# KiCad board EPSM-Famicom-rounded.kicad_pcb (continued)
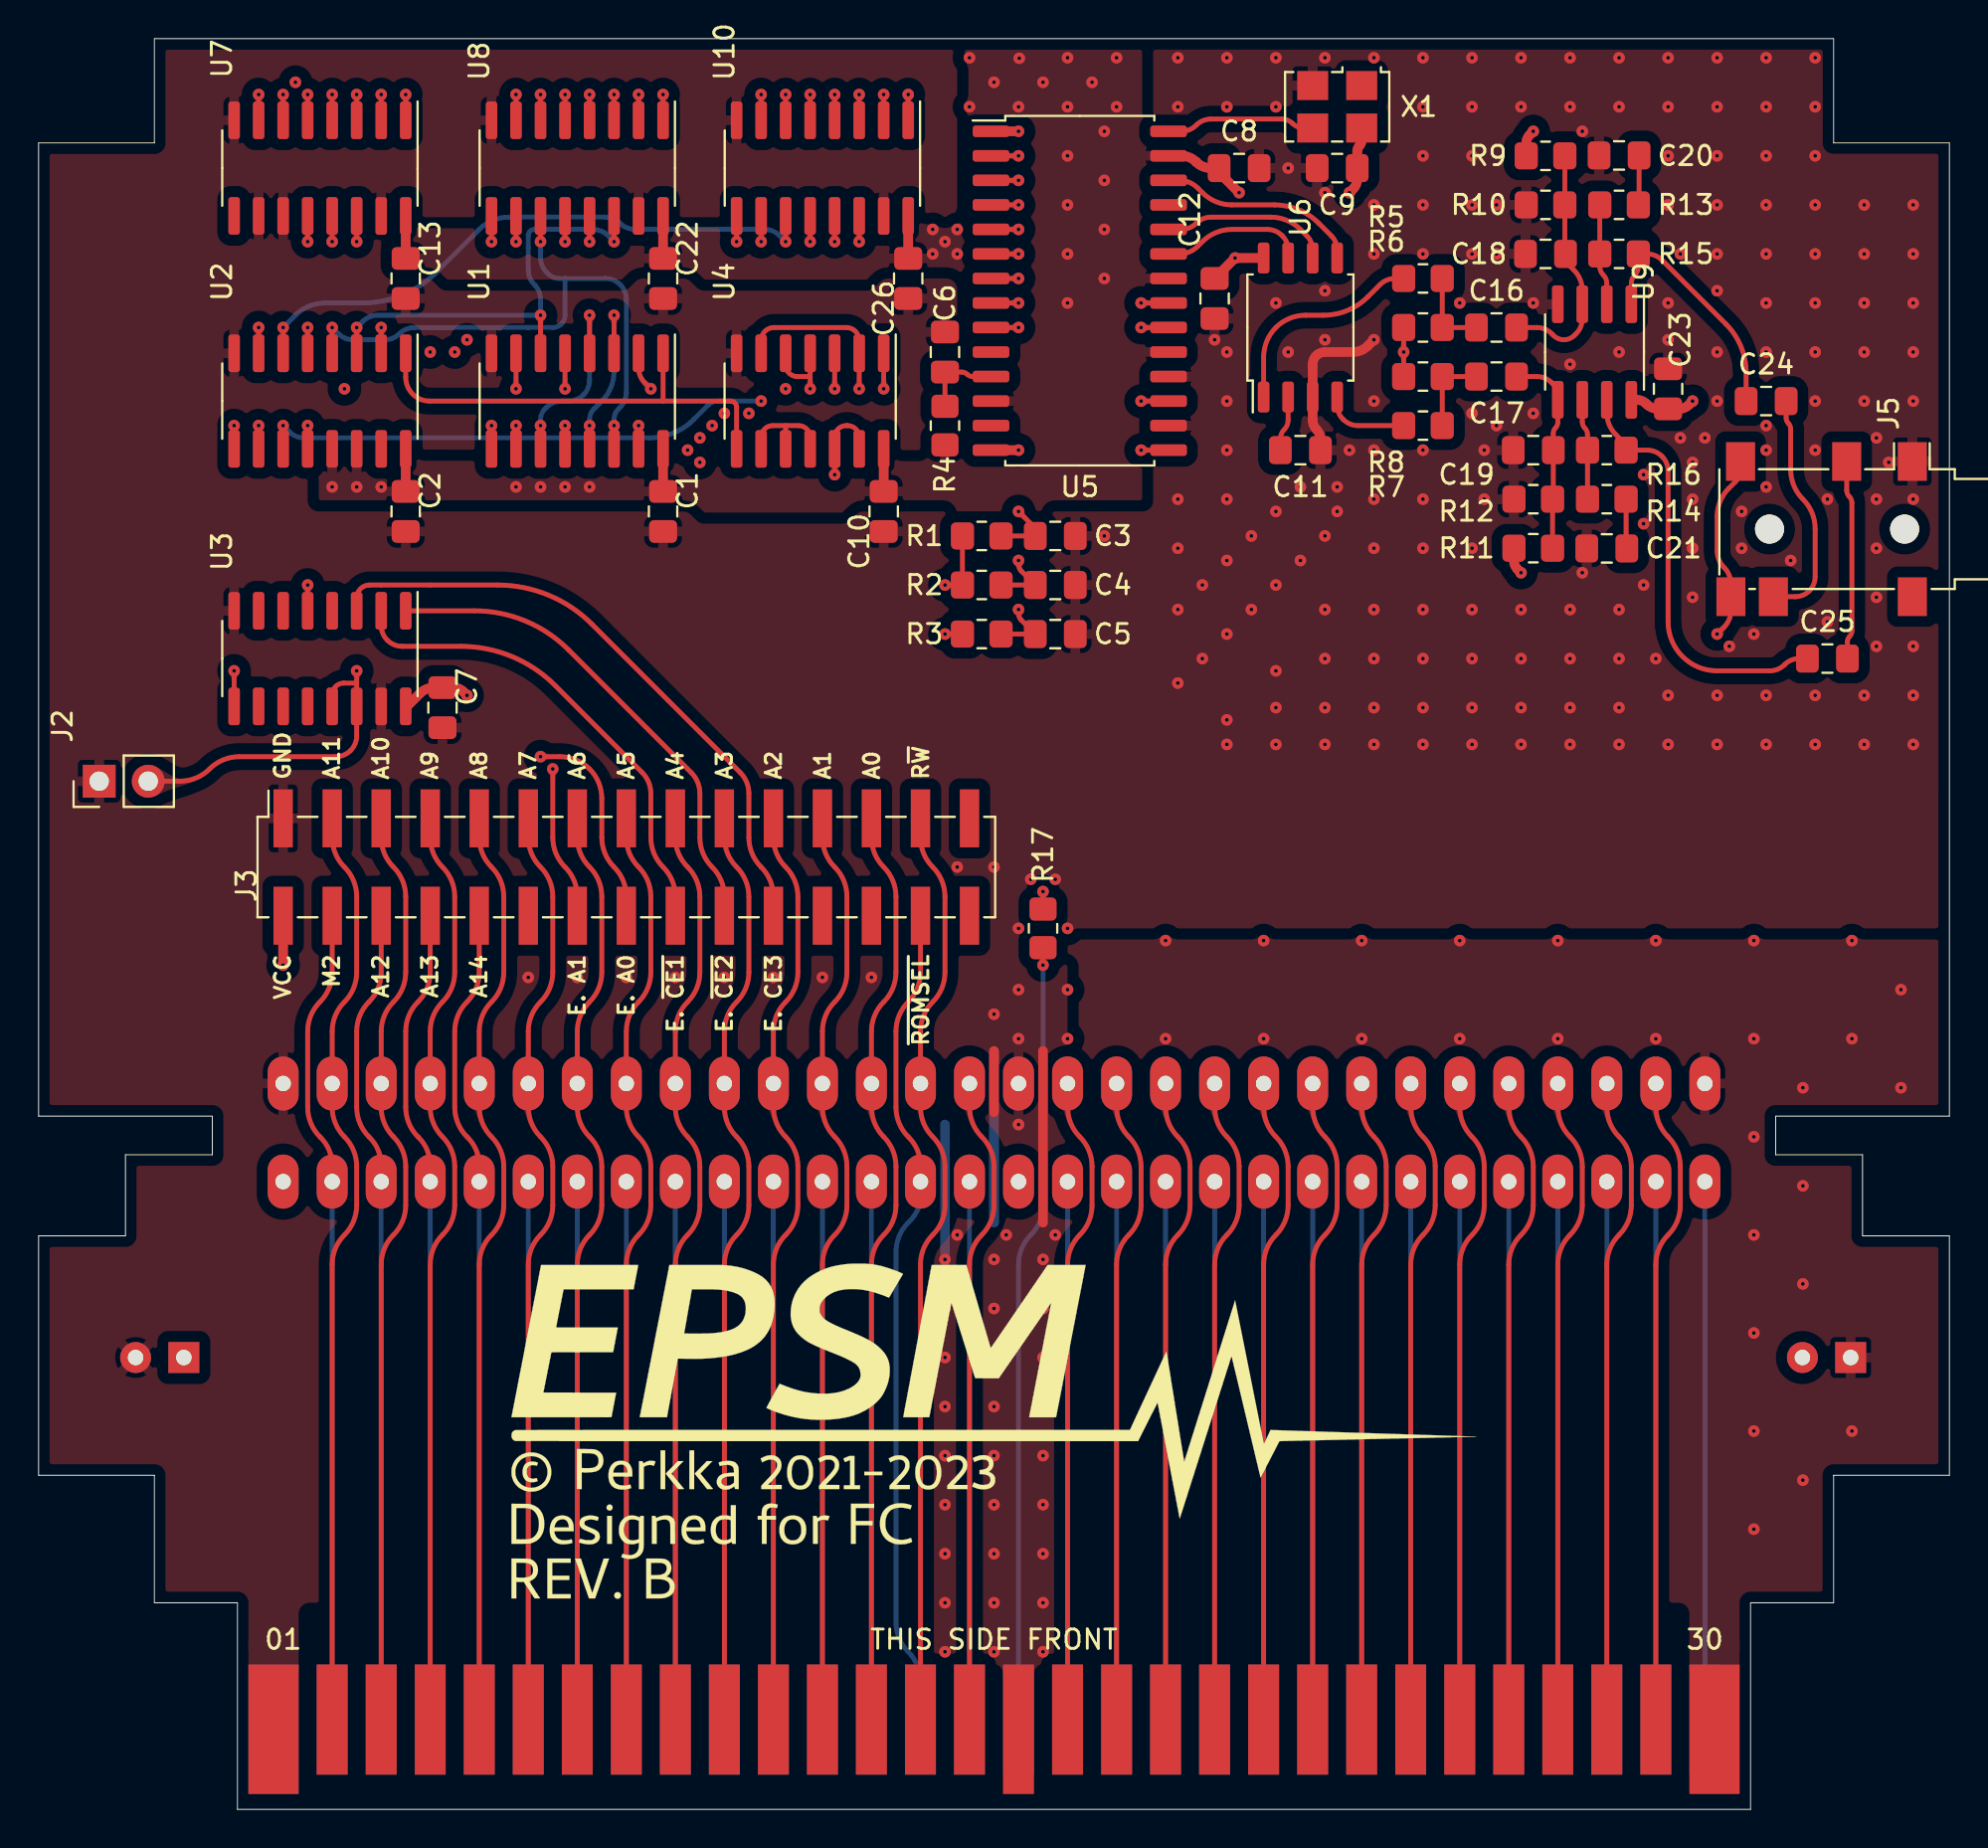
[diagram p0: board, top side]
## Copper pours and planes (outline as drawn; the poured copper is in the pictures) (continued)
/VCC on Top: 57.75,67.21 42.52,67.21 41.88,66.58 34.26,66.58 33.62,67.21 13.94,67.21 13.94,70.39 47.59,70.39 47.59,79.28 43.78,79.28 43.15,78.64 34.26,78.64 33.62,79.28 31.08,79.28 30.45,78.64 20.92,78.64 20.29,79.28 17.75,79.28 17.75,82.45 47.59,82.45 47.59,91.98 57.75,91.98
/VCC on Bottom: 13.47,6.55 10.87,6.55 10.87,8.79 13.47,8.79
/VCC on Bottom: 99.03,10.7 83.79,10.7 83.79,38 15.21,38 15.21,10.7 13.47,10.7 13.47,8.16 10.87,8.16 10.87,10.7 -0.03,10.7 -0.03,91.98 99.03,91.98
/AUD_2A03 on Bottom: 48.36,30.92 48.36,31.11 48.39,31.26 48.43,31.39 48.49,31.5 48.55,31.59 48.63,31.69 48.7,31.78 48.79,31.89 48.87,32.01 48.95,32.16 48.23,32.91 47.51,32.16 47.59,32.01 47.67,31.89 47.76,31.78 47.83,31.69 47.91,31.59 47.97,31.5 48.03,31.39 48.07,31.26 48.1,31.11 48.11,30.92
/AUD_RF on In1.Cu: 50.5,34.08 50.55,33.92 50.57,33.77 50.56,33.65 50.52,33.54 50.46,33.44 50.39,33.34 50.3,33.24 50.22,33.13 50.13,33 50.05,32.86 50.77,32.11 51.49,32.86 51.41,33.02 51.33,33.16 51.25,33.28 51.18,33.38 51.11,33.48 51.04,33.58 50.97,33.7 50.89,33.83 50.81,33.99 50.73,34.18
/CIRAM_A10 on Top: 56.11,35.63 56.04,35.84 56.01,36.03 56.02,36.19 56.05,36.34 56.11,36.48 56.18,36.61 56.27,36.75 56.37,36.89 56.47,37.06 56.57,37.24 55.85,37.99 55.13,37.24 55.31,36.86 55.39,36.71 55.45,36.57 55.51,36.44 55.57,36.3 55.64,36.15 55.71,35.98 55.79,35.77 55.88,35.54
/CIRAM_~{CE} on Bottom: 55.97,30.92 55.98,31.11 56.01,31.26 56.05,31.39 56.11,31.5 56.17,31.59 56.25,31.69 56.32,31.78 56.41,31.89 56.49,32.01 56.57,32.16 55.85,32.91 55.13,32.16 55.21,32.01 55.29,31.89 55.38,31.78 55.45,31.69 55.53,31.59 55.59,31.5 55.65,31.39 55.69,31.26 55.72,31.11 55.72,30.92
/CPU_A0 on Top: 43.03,39.18 43.02,38.99 42.99,38.84 42.95,38.71 42.89,38.6 42.83,38.51 42.75,38.41 42.68,38.32 42.59,38.21 42.51,38.09 42.43,37.94 43.15,37.19 43.87,37.94 43.79,38.09 43.71,38.21 43.62,38.32 43.55,38.41 43.47,38.51 43.41,38.6 43.35,38.71 43.31,38.84 43.28,38.99 43.28,39.18
/CPU_A0 on Top: 43.41,35.63 43.34,35.84 43.31,36.03 43.32,36.19 43.35,36.34 43.41,36.48 43.48,36.61 43.57,36.75 43.67,36.89 43.77,37.06 43.87,37.24 43.15,37.99 42.43,37.24 42.61,36.86 42.69,36.71 42.75,36.57 42.81,36.44 42.87,36.3 42.94,36.15 43.01,35.98 43.09,35.77 43.18,35.54
/CPU_A1 on Top: 40.87,35.63 40.8,35.84 40.77,36.03 40.78,36.19 40.81,36.34 40.87,36.48 40.94,36.61 41.03,36.75 41.13,36.89 41.23,37.06 41.33,37.24 40.61,37.99 39.89,37.24 40.07,36.86 40.15,36.71 40.21,36.57 40.27,36.44 40.33,36.3 40.4,36.15 40.47,35.98 40.55,35.77 40.64,35.54
/CPU_A1 on Top: 40.48,39.18 40.48,38.99 40.45,38.84 40.41,38.71 40.35,38.6 40.29,38.51 40.21,38.41 40.14,38.32 40.05,38.21 39.97,38.09 39.89,37.94 40.61,37.19 41.33,37.94 41.25,38.09 41.17,38.21 41.08,38.32 41.01,38.41 40.93,38.51 40.87,38.6 40.81,38.71 40.77,38.84 40.74,38.99 40.73,39.18
/CPU_A2 on Top: 37.94,39.18 37.94,38.99 37.91,38.84 37.87,38.71 37.81,38.6 37.75,38.51 37.67,38.41 37.6,38.32 37.51,38.21 37.43,38.09 37.35,37.94 38.07,37.19 38.79,37.94 38.71,38.09 38.63,38.21 38.54,38.32 38.47,38.41 38.39,38.51 38.33,38.6 38.27,38.71 38.23,38.84 38.2,38.99 38.19,39.18
/CPU_A2 on Top: 38.33,35.63 38.26,35.84 38.23,36.03 38.24,36.19 38.27,36.34 38.33,36.48 38.4,36.61 38.49,36.75 38.59,36.89 38.69,37.06 38.79,37.24 38.07,37.99 37.35,37.24 37.53,36.86 37.61,36.71 37.67,36.57 37.73,36.44 37.79,36.3 37.86,36.15 37.93,35.98 38.01,35.77 38.1,35.54
/CPU_A7 on Top: 25.25,39.18 25.24,38.99 25.21,38.84 25.17,38.71 25.11,38.6 25.05,38.51 24.97,38.41 24.9,38.32 24.81,38.21 24.73,38.09 24.65,37.94 25.37,37.19 26.09,37.94 26.01,38.09 25.93,38.21 25.84,38.32 25.77,38.41 25.69,38.51 25.63,38.6 25.57,38.71 25.53,38.84 25.5,38.99 25.5,39.18
/CPU_A7 on Top: 25.63,35.63 25.56,35.84 25.53,36.03 25.54,36.19 25.57,36.34 25.63,36.48 25.7,36.61 25.79,36.75 25.89,36.89 25.99,37.06 26.09,37.24 25.37,37.99 24.65,37.24 24.83,36.86 24.91,36.71 24.97,36.57 25.03,36.44 25.09,36.3 25.16,36.15 25.23,35.98 25.31,35.77 25.4,35.54
/CPU_A8 on Top: 23.09,35.63 23.02,35.84 22.99,36.03 23,36.19 23.03,36.34 23.09,36.48 23.16,36.61 23.25,36.75 23.35,36.89 23.45,37.06 23.55,37.24 22.83,37.99 22.11,37.24 22.29,36.86 22.37,36.71 22.43,36.57 22.49,36.44 22.55,36.3 22.62,36.15 22.69,35.98 22.77,35.77 22.86,35.54
/CPU_A8 on Top: 22.7,39.18 22.7,38.99 22.67,38.84 22.63,38.71 22.57,38.6 22.51,38.51 22.43,38.41 22.36,38.32 22.27,38.21 22.19,38.09 22.11,37.94 22.83,37.19 23.55,37.94 23.47,38.09 23.39,38.21 23.3,38.32 23.23,38.41 23.15,38.51 23.09,38.6 23.03,38.71 22.99,38.84 22.96,38.99 22.95,39.18
/CPU_A12 on Top: 17.48,34.08 17.53,33.92 17.55,33.77 17.54,33.65 17.5,33.54 17.44,33.44 17.37,33.34 17.28,33.24 17.2,33.13 17.11,33 17.03,32.86 17.75,32.11 18.47,32.86 18.39,33.02 18.31,33.16 18.23,33.28 18.16,33.38 18.09,33.48 18.02,33.58 17.95,33.7 17.87,33.83 17.79,33.99 17.71,34.18
/CPU_A12 on Bottom: 17.88,30.92 17.88,31.11 17.91,31.26 17.95,31.39 18.01,31.5 18.07,31.59 18.15,31.69 18.22,31.78 18.31,31.89 18.39,32.01 18.47,32.16 17.75,32.91 17.03,32.16 17.11,32.01 17.19,31.89 17.28,31.78 17.35,31.69 17.43,31.59 17.49,31.5 17.55,31.39 17.59,31.26 17.62,31.11 17.62,30.92
/CPU_A13 on Top: 20.02,34.08 20.07,33.92 20.09,33.77 20.08,33.65 20.04,33.54 19.98,33.44 19.91,33.34 19.82,33.24 19.74,33.13 19.65,33 19.57,32.86 20.29,32.11 21.01,32.86 20.93,33.02 20.85,33.16 20.77,33.28 20.7,33.38 20.63,33.48 20.56,33.58 20.49,33.7 20.41,33.83 20.33,33.99 20.25,34.18
/CPU_A13 on Bottom: 20.42,30.92 20.42,31.11 20.45,31.26 20.49,31.39 20.55,31.5 20.61,31.59 20.69,31.69 20.76,31.78 20.85,31.89 20.93,32.01 21.01,32.16 20.29,32.91 19.57,32.16 19.65,32.01 19.73,31.89 19.82,31.78 19.89,31.69 19.97,31.59 20.03,31.5 20.09,31.39 20.13,31.26 20.16,31.11 20.17,30.92
/CPU_A14 on Top: 22.56,34.08 22.61,33.92 22.63,33.77 22.62,33.65 22.58,33.54 22.52,33.44 22.45,33.34 22.36,33.24 22.28,33.13 22.19,33 22.11,32.86 22.83,32.11 23.55,32.86 23.47,33.02 23.39,33.16 23.31,33.28 23.24,33.38 23.17,33.48 23.1,33.58 23.03,33.7 22.95,33.83 22.87,33.99 22.79,34.18
/CPU_A14 on Bottom: 22.95,30.92 22.96,31.11 22.99,31.26 23.03,31.39 23.09,31.5 23.15,31.59 23.23,31.69 23.3,31.78 23.39,31.89 23.47,32.01 23.55,32.16 22.83,32.91 22.11,32.16 22.19,32.01 22.27,31.89 22.36,31.78 22.43,31.69 22.51,31.59 22.57,31.5 22.63,31.39 22.67,31.26 22.7,31.11 22.7,30.92
/CPU_D0 on Bottom: 43.28,30.92 43.28,31.11 43.31,31.26 43.35,31.39 43.41,31.5 43.47,31.59 43.55,31.69 43.62,31.78 43.71,31.89 43.79,32.01 43.87,32.16 43.15,32.91 42.43,32.16 42.51,32.01 42.59,31.89 42.68,31.78 42.75,31.69 42.83,31.59 42.89,31.5 42.95,31.39 42.99,31.26 43.02,31.11 43.03,30.92
/CPU_D0 on In2.Cu: 42.88,34.08 42.93,33.92 42.95,33.77 42.94,33.65 42.9,33.54 42.84,33.44 42.77,33.34 42.68,33.24 42.6,33.13 42.51,33 42.43,32.86 43.15,32.11 43.87,32.86 43.79,33.02 43.71,33.16 43.63,33.28 43.56,33.38 43.49,33.48 43.42,33.58 43.35,33.7 43.27,33.83 43.19,33.99 43.11,34.18
/CPU_D1 on Bottom: 40.73,30.92 40.74,31.11 40.77,31.26 40.81,31.39 40.87,31.5 40.93,31.59 41.01,31.69 41.08,31.78 41.17,31.89 41.25,32.01 41.33,32.16 40.61,32.91 39.89,32.16 39.97,32.01 40.05,31.89 40.14,31.78 40.21,31.69 40.29,31.59 40.35,31.5 40.41,31.39 40.45,31.26 40.48,31.11 40.48,30.92
/CPU_D1 on In2.Cu: 40.34,34.08 40.39,33.92 40.41,33.77 40.4,33.65 40.36,33.54 40.3,33.44 40.23,33.34 40.14,33.24 40.06,33.13 39.97,33 39.89,32.86 40.61,32.11 41.33,32.86 41.25,33.02 41.17,33.16 41.09,33.28 41.02,33.38 40.95,33.48 40.88,33.58 40.81,33.7 40.73,33.83 40.65,33.99 40.57,34.18
/CPU_D2 on Bottom: 38.19,30.92 38.2,31.11 38.23,31.26 38.27,31.39 38.33,31.5 38.39,31.59 38.47,31.69 38.54,31.78 38.63,31.89 38.71,32.01 38.79,32.16 38.07,32.91 37.35,32.16 37.43,32.01 37.51,31.89 37.6,31.78 37.67,31.69 37.75,31.59 37.81,31.5 37.87,31.39 37.91,31.26 37.94,31.11 37.94,30.92
/CPU_D2 on In2.Cu: 37.8,34.08 37.85,33.92 37.87,33.77 37.86,33.65 37.82,33.54 37.76,33.44 37.69,33.34 37.6,33.24 37.52,33.13 37.43,33 37.35,32.86 38.07,32.11 38.79,32.86 38.71,33.02 38.63,33.16 38.55,33.28 38.48,33.38 38.41,33.48 38.34,33.58 38.27,33.7 38.19,33.83 38.11,33.99 38.03,34.18
/CPU_D3 on Bottom: 35.66,30.92 35.66,31.11 35.69,31.26 35.73,31.39 35.79,31.5 35.85,31.59 35.93,31.69 36,31.78 36.09,31.89 36.17,32.01 36.25,32.16 35.53,32.91 34.81,32.16 34.89,32.01 34.97,31.89 35.06,31.78 35.13,31.69 35.21,31.59 35.27,31.5 35.33,31.39 35.37,31.26 35.4,31.11 35.41,30.92
/CPU_D3 on In2.Cu: 35.26,34.08 35.31,33.92 35.33,33.77 35.32,33.65 35.28,33.54 35.22,33.44 35.15,33.34 35.06,33.24 34.98,33.13 34.89,33 34.81,32.86 35.53,32.11 36.25,32.86 36.17,33.02 36.09,33.16 36.01,33.28 35.94,33.38 35.87,33.48 35.8,33.58 35.73,33.7 35.65,33.83 35.57,33.99 35.49,34.18
/CPU_D4 on Bottom: 33.11,30.92 33.12,31.11 33.15,31.26 33.19,31.39 33.25,31.5 33.31,31.59 33.39,31.69 33.46,31.78 33.55,31.89 33.63,32.01 33.71,32.16 32.99,32.91 32.27,32.16 32.35,32.01 32.43,31.89 32.52,31.78 32.59,31.69 32.67,31.59 32.73,31.5 32.79,31.39 32.83,31.26 32.86,31.11 32.86,30.92
/CPU_D4 on In2.Cu: 32.72,34.08 32.77,33.92 32.79,33.77 32.78,33.65 32.74,33.54 32.68,33.44 32.61,33.34 32.52,33.24 32.44,33.13 32.35,33 32.27,32.86 32.99,32.11 33.71,32.86 33.63,33.02 33.55,33.16 33.47,33.28 33.4,33.38 33.33,33.48 33.26,33.58 33.19,33.7 33.11,33.83 33.03,33.99 32.95,34.18
/CPU_D5 on Bottom: 30.58,30.92 30.58,31.11 30.61,31.26 30.65,31.39 30.71,31.5 30.77,31.59 30.85,31.69 30.92,31.78 31.01,31.89 31.09,32.01 31.17,32.16 30.45,32.91 29.73,32.16 29.81,32.01 29.89,31.89 29.98,31.78 30.05,31.69 30.13,31.59 30.19,31.5 30.25,31.39 30.29,31.26 30.32,31.11 30.33,30.92
/CPU_D5 on In2.Cu: 30.18,34.08 30.23,33.92 30.25,33.77 30.24,33.65 30.2,33.54 30.14,33.44 30.07,33.34 29.98,33.24 29.9,33.13 29.81,33 29.73,32.86 30.45,32.11 31.17,32.86 31.09,33.02 31.01,33.16 30.93,33.28 30.86,33.38 30.79,33.48 30.72,33.58 30.65,33.7 30.57,33.83 30.49,33.99 30.41,34.18
/CPU_D6 on Bottom: 28.03,30.92 28.04,31.11 28.07,31.26 28.11,31.39 28.17,31.5 28.23,31.59 28.31,31.69 28.38,31.78 28.47,31.89 28.55,32.01 28.63,32.16 27.91,32.91 27.19,32.16 27.27,32.01 27.35,31.89 27.44,31.78 27.51,31.69 27.59,31.59 27.65,31.5 27.71,31.39 27.75,31.26 27.78,31.11 27.78,30.92
/CPU_D6 on In2.Cu: 27.64,34.08 27.69,33.92 27.71,33.77 27.7,33.65 27.66,33.54 27.6,33.44 27.53,33.34 27.44,33.24 27.36,33.13 27.27,33 27.19,32.86 27.91,32.11 28.63,32.86 28.55,33.02 28.47,33.16 28.39,33.28 28.32,33.38 28.25,33.48 28.18,33.58 28.11,33.7 28.03,33.83 27.95,33.99 27.87,34.18
/CPU_D7 on Bottom: 25.5,30.92 25.5,31.11 25.53,31.26 25.57,31.39 25.63,31.5 25.69,31.59 25.77,31.69 25.84,31.78 25.93,31.89 26.01,32.01 26.09,32.16 25.37,32.91 24.65,32.16 24.73,32.01 24.81,31.89 24.9,31.78 24.97,31.69 25.05,31.59 25.11,31.5 25.17,31.39 25.21,31.26 25.24,31.11 25.25,30.92
/CPU_D7 on In2.Cu: 25.1,34.08 25.15,33.92 25.17,33.77 25.16,33.65 25.12,33.54 25.06,33.44 24.99,33.34 24.9,33.24 24.82,33.13 24.73,33 24.65,32.86 25.37,32.11 26.09,32.86 26.01,33.02 25.93,33.16 25.85,33.28 25.78,33.38 25.71,33.48 25.64,33.58 25.57,33.7 25.49,33.83 25.41,33.99 25.33,34.18
/M2 on Top: 14.94,34.08 14.99,33.92 15.01,33.77 15,33.65 14.96,33.54 14.9,33.44 14.83,33.34 14.74,33.24 14.66,33.13 14.57,33 14.49,32.86 15.21,32.11 15.93,32.86 15.85,33.02 15.77,33.16 15.69,33.28 15.62,33.38 15.55,33.48 15.48,33.58 15.41,33.7 15.33,33.83 15.25,33.99 15.17,34.18
/M2 on Bottom: 15.33,30.92 15.34,31.11 15.37,31.26 15.41,31.39 15.47,31.5 15.53,31.59 15.61,31.69 15.68,31.78 15.77,31.89 15.85,32.01 15.93,32.16 15.21,32.91 14.49,32.16 14.57,32.01 14.65,31.89 14.74,31.78 14.81,31.69 14.89,31.59 14.95,31.5 15.01,31.39 15.05,31.26 15.08,31.11 15.08,30.92
/OUT_1 on Top: 8.11,53.53 7.84,53.43 7.6,53.38 7.39,53.37 7.2,53.4 7.03,53.46 6.86,53.55 6.68,53.65 6.49,53.76 6.29,53.89 6.05,54.01 5.25,53.24 6.05,52.48 6.3,52.6 6.52,52.69 6.72,52.77 6.9,52.83 7.07,52.89 7.25,52.95 7.44,53.01 7.66,53.08 7.91,53.18 8.2,53.29
/PPU_A0 on Top: 73.89,35.63 73.82,35.84 73.79,36.03 73.8,36.19 73.83,36.34 73.89,36.48 73.96,36.61 74.05,36.75 74.15,36.89 74.25,37.06 74.35,37.24 73.63,37.99 72.91,37.24 73.09,36.86 73.17,36.71 73.23,36.57 73.29,36.44 73.35,36.3 73.42,36.15 73.49,35.98 73.57,35.77 73.66,35.54
/PPU_A1 on Top: 71.35,35.63 71.28,35.84 71.25,36.03 71.26,36.19 71.29,36.34 71.35,36.48 71.42,36.61 71.51,36.75 71.61,36.89 71.71,37.06 71.81,37.24 71.09,37.99 70.37,37.24 70.55,36.86 70.63,36.71 70.69,36.57 70.75,36.44 70.81,36.3 70.88,36.15 70.95,35.98 71.03,35.77 71.12,35.54
/PPU_A2 on Top: 68.81,35.63 68.74,35.84 68.71,36.03 68.72,36.19 68.75,36.34 68.81,36.48 68.88,36.61 68.97,36.75 69.07,36.89 69.17,37.06 69.27,37.24 68.55,37.99 67.83,37.24 68.01,36.86 68.09,36.71 68.15,36.57 68.21,36.44 68.27,36.3 68.34,36.15 68.41,35.98 68.49,35.77 68.58,35.54
/PPU_A3 on Top: 66.27,35.63 66.2,35.84 66.17,36.03 66.18,36.19 66.21,36.34 66.27,36.48 66.34,36.61 66.43,36.75 66.53,36.89 66.63,37.06 66.73,37.24 66.01,37.99 65.29,37.24 65.47,36.86 65.55,36.71 65.61,36.57 65.67,36.44 65.73,36.3 65.8,36.15 65.87,35.98 65.95,35.77 66.04,35.54
/PPU_A4 on Top: 63.73,35.63 63.66,35.84 63.63,36.03 63.64,36.19 63.67,36.34 63.73,36.48 63.8,36.61 63.89,36.75 63.99,36.89 64.09,37.06 64.19,37.24 63.47,37.99 62.75,37.24 62.93,36.86 63.01,36.71 63.07,36.57 63.13,36.44 63.19,36.3 63.26,36.15 63.33,35.98 63.41,35.77 63.5,35.54
/PPU_A5 on Top: 61.19,35.63 61.12,35.84 61.09,36.03 61.1,36.19 61.13,36.34 61.19,36.48 61.26,36.61 61.35,36.75 61.45,36.89 61.55,37.06 61.65,37.24 60.93,37.99 60.21,37.24 60.39,36.86 60.47,36.71 60.53,36.57 60.59,36.44 60.65,36.3 60.72,36.15 60.79,35.98 60.87,35.77 60.96,35.54
/PPU_A6 on Top: 58.65,35.63 58.58,35.84 58.55,36.03 58.56,36.19 58.59,36.34 58.65,36.48 58.72,36.61 58.81,36.75 58.91,36.89 59.01,37.06 59.11,37.24 58.39,37.99 57.67,37.24 57.85,36.86 57.93,36.71 57.99,36.57 58.05,36.44 58.11,36.3 58.18,36.15 58.25,35.98 58.33,35.77 58.42,35.54
/PPU_A7 on Bottom: 61.06,30.92 61.06,31.11 61.09,31.26 61.13,31.39 61.19,31.5 61.25,31.59 61.33,31.69 61.4,31.78 61.49,31.89 61.57,32.01 61.65,32.16 60.93,32.91 60.21,32.16 60.29,32.01 60.37,31.89 60.46,31.78 60.53,31.69 60.61,31.59 60.67,31.5 60.73,31.39 60.77,31.26 60.8,31.11 60.81,30.92
/PPU_A8 on Bottom: 63.59,30.92 63.6,31.11 63.63,31.26 63.67,31.39 63.73,31.5 63.79,31.59 63.87,31.69 63.94,31.78 64.03,31.89 64.11,32.01 64.19,32.16 63.47,32.91 62.75,32.16 62.83,32.01 62.91,31.89 63,31.78 63.07,31.69 63.15,31.59 63.21,31.5 63.27,31.39 63.31,31.26 63.34,31.11 63.34,30.92
/PPU_A9 on Bottom: 66.13,30.92 66.14,31.11 66.17,31.26 66.21,31.39 66.27,31.5 66.33,31.59 66.41,31.69 66.48,31.78 66.57,31.89 66.65,32.01 66.73,32.16 66.01,32.91 65.29,32.16 65.37,32.01 65.45,31.89 65.54,31.78 65.61,31.69 65.69,31.59 65.75,31.5 65.81,31.39 65.85,31.26 65.88,31.11 65.88,30.92
/PPU_A10 on Bottom: 68.68,30.92 68.68,31.11 68.71,31.26 68.75,31.39 68.81,31.5 68.87,31.59 68.95,31.69 69.02,31.78 69.11,31.89 69.19,32.01 69.27,32.16 68.55,32.91 67.83,32.16 67.91,32.01 67.99,31.89 68.08,31.78 68.15,31.69 68.23,31.59 68.29,31.5 68.35,31.39 68.39,31.26 68.42,31.11 68.43,30.92
/PPU_A11 on Bottom: 71.22,30.92 71.22,31.11 71.25,31.26 71.29,31.39 71.35,31.5 71.41,31.59 71.49,31.69 71.56,31.78 71.65,31.89 71.73,32.01 71.81,32.16 71.09,32.91 70.37,32.16 70.45,32.01 70.53,31.89 70.62,31.78 70.69,31.69 70.77,31.59 70.83,31.5 70.89,31.39 70.93,31.26 70.96,31.11 70.97,30.92
/PPU_A12 on Bottom: 73.75,30.92 73.76,31.11 73.79,31.26 73.83,31.39 73.89,31.5 73.95,31.59 74.03,31.69 74.1,31.78 74.19,31.89 74.27,32.01 74.35,32.16 73.63,32.91 72.91,32.16 72.99,32.01 73.07,31.89 73.16,31.78 73.23,31.69 73.31,31.59 73.37,31.5 73.43,31.39 73.47,31.26 73.5,31.11 73.5,30.92
/PPU_A13 on Bottom: 76.29,30.92 76.3,31.11 76.33,31.26 76.37,31.39 76.43,31.5 76.49,31.59 76.57,31.69 76.64,31.78 76.73,31.89 76.81,32.01 76.89,32.16 76.17,32.91 75.45,32.16 75.53,32.01 75.61,31.89 75.7,31.78 75.77,31.69 75.85,31.59 75.91,31.5 75.97,31.39 76.01,31.26 76.04,31.11 76.04,30.92
/PPU_D0 on Top: 76.43,35.63 76.36,35.84 76.33,36.03 76.34,36.19 76.37,36.34 76.43,36.48 76.5,36.61 76.59,36.75 76.69,36.89 76.79,37.06 76.89,37.24 76.17,37.99 75.45,37.24 75.63,36.86 75.71,36.71 75.77,36.57 75.83,36.44 75.89,36.3 75.96,36.15 76.03,35.98 76.11,35.77 76.2,35.54
/PPU_D1 on Top: 78.97,35.63 78.9,35.84 78.87,36.03 78.88,36.19 78.91,36.34 78.97,36.48 79.04,36.61 79.13,36.75 79.23,36.89 79.33,37.06 79.43,37.24 78.71,37.99 77.99,37.24 78.17,36.86 78.25,36.71 78.31,36.57 78.37,36.44 78.43,36.3 78.5,36.15 78.57,35.98 78.65,35.77 78.74,35.54
/PPU_D2 on Top: 81.51,35.63 81.44,35.84 81.41,36.03 81.42,36.19 81.45,36.34 81.51,36.48 81.58,36.61 81.67,36.75 81.77,36.89 81.87,37.06 81.97,37.24 81.25,37.99 80.53,37.24 80.71,36.86 80.79,36.71 80.85,36.57 80.91,36.44 80.97,36.3 81.04,36.15 81.11,35.98 81.19,35.77 81.28,35.54
/PPU_D3 on Top: 84.05,35.63 83.98,35.84 83.95,36.03 83.96,36.19 83.99,36.34 84.05,36.48 84.12,36.61 84.21,36.75 84.31,36.89 84.41,37.06 84.51,37.24 83.79,37.99 83.07,37.24 83.25,36.86 83.33,36.71 83.39,36.57 83.45,36.44 83.51,36.3 83.58,36.15 83.65,35.98 83.73,35.77 83.82,35.54
/PPU_D4 on Bottom: 86.46,30.92 86.46,31.11 86.49,31.26 86.53,31.39 86.59,31.5 86.65,31.59 86.73,31.69 86.8,31.78 86.89,31.89 86.97,32.01 87.05,32.16 86.33,32.91 85.61,32.16 85.69,32.01 85.77,31.89 85.86,31.78 85.93,31.69 86.01,31.59 86.07,31.5 86.13,31.39 86.17,31.26 86.2,31.11 86.21,30.92
/PPU_D5 on Bottom: 83.91,30.92 83.92,31.11 83.95,31.26 83.99,31.39 84.05,31.5 84.11,31.59 84.19,31.69 84.26,31.78 84.35,31.89 84.43,32.01 84.51,32.16 83.79,32.91 83.07,32.16 83.15,32.01 83.23,31.89 83.32,31.78 83.39,31.69 83.47,31.59 83.53,31.5 83.59,31.39 83.63,31.26 83.66,31.11 83.66,30.92
/PPU_D6 on Bottom: 81.38,30.92 81.38,31.11 81.41,31.26 81.45,31.39 81.51,31.5 81.57,31.59 81.65,31.69 81.72,31.78 81.81,31.89 81.89,32.01 81.97,32.16 81.25,32.91 80.53,32.16 80.61,32.01 80.69,31.89 80.78,31.78 80.85,31.69 80.93,31.59 80.99,31.5 81.05,31.39 81.09,31.26 81.12,31.11 81.12,30.92
/PPU_D7 on Bottom: 78.84,30.92 78.84,31.11 78.87,31.26 78.91,31.39 78.97,31.5 79.03,31.59 79.11,31.69 79.18,31.78 79.27,31.89 79.35,32.01 79.43,32.16 78.71,32.91 77.99,32.16 78.07,32.01 78.15,31.89 78.24,31.78 78.31,31.69 78.39,31.59 78.45,31.5 78.51,31.39 78.55,31.26 78.58,31.11 78.59,30.92
/PPU_~{A13} on Bottom: 58.51,30.92 58.52,31.11 58.55,31.26 58.59,31.39 58.65,31.5 58.71,31.59 58.79,31.69 58.86,31.78 58.95,31.89 59.03,32.01 59.11,32.16 58.39,32.91 57.67,32.16 57.75,32.01 57.83,31.89 57.92,31.78 57.99,31.69 58.07,31.59 58.13,31.5 58.19,31.39 58.23,31.26 58.26,31.11 58.26,30.92
/PPU_~{RD} on Top: 53.57,35.63 53.5,35.84 53.47,36.03 53.48,36.19 53.51,36.34 53.57,36.48 53.64,36.61 53.73,36.75 53.83,36.89 53.93,37.06 54.03,37.24 53.31,37.99 52.59,37.24 52.77,36.86 52.85,36.71 52.91,36.57 52.97,36.44 53.03,36.3 53.1,36.15 53.17,35.98 53.25,35.77 53.34,35.54
/PPU_~{WR} on Bottom: 53.44,30.92 53.44,31.11 53.47,31.26 53.51,31.39 53.57,31.5 53.63,31.59 53.71,31.69 53.78,31.78 53.87,31.89 53.95,32.01 54.03,32.16 53.31,32.91 52.59,32.16 52.67,32.01 52.75,31.89 52.84,31.78 52.91,31.69 52.99,31.59 53.05,31.5 53.11,31.39 53.15,31.26 53.18,31.11 53.19,30.92
/~{IRQ} on Top: 48.49,35.63 48.42,35.84 48.39,36.03 48.4,36.19 48.43,36.34 48.49,36.48 48.56,36.61 48.65,36.75 48.75,36.89 48.85,37.06 48.95,37.24 48.23,37.99 47.51,37.24 47.69,36.86 47.77,36.71 47.83,36.57 47.89,36.44 47.95,36.3 48.02,36.15 48.09,35.98 48.17,35.77 48.26,35.54
/~{IRQ} on In1.Cu: 48.11,39.18 48.1,38.99 48.07,38.84 48.03,38.71 47.97,38.6 47.91,38.51 47.83,38.41 47.76,38.32 47.67,38.21 47.59,38.09 47.51,37.94 48.23,37.19 48.95,37.94 48.87,38.09 48.79,38.21 48.7,38.32 48.63,38.41 48.55,38.51 48.49,38.6 48.43,38.71 48.39,38.84 48.36,38.99 48.36,39.18
/~{ROMSEL} on Top: 45.42,34.08 45.47,33.92 45.49,33.77 45.48,33.65 45.44,33.54 45.38,33.44 45.31,33.34 45.22,33.24 45.14,33.13 45.05,33 44.97,32.86 45.69,32.11 46.41,32.86 46.33,33.02 46.25,33.16 46.17,33.28 46.1,33.38 46.03,33.48 45.96,33.58 45.89,33.7 45.81,33.83 45.73,33.99 45.65,34.18
/~{ROMSEL} on Bottom: 45.6,30.88 45.7,31.06 45.79,31.21 45.87,31.33 45.94,31.44 46.09,31.64 46.16,31.74 46.23,31.85 46.31,31.98 46.4,32.14 45.7,32.91 44.96,32.17 45.04,32.03 45.12,31.91 45.21,31.8 45.29,31.7 45.37,31.6 45.42,31.51 45.46,31.4 45.47,31.28 45.44,31.15 45.38,30.99

Small or netless copper shapes (teardrops, artwork), in the pictures only: 102 on Top, 16 on Bottom, 62 on In1.Cu, 47 on In2.Cu

## Text on the board
B.Silkscreen: 31 | THIS SIDE BACK | 60
F.Silkscreen: GND / A11 / A10 / A9 / A8 / A7 / A6 / A5 / A4 / A3 / A2 / A1 / A0 / R~{W} | VCC / M2 / A12 / A13 / A14 / E. A1 / E. A0 / E. ~{CE1} / E. ~{CE2} / E. CE3 / ~{ROMSEL} | 01 | THIS SIDE FRONT | 30
